# KiCad board thunderbolt-adapter.kicad_pcb (continued)
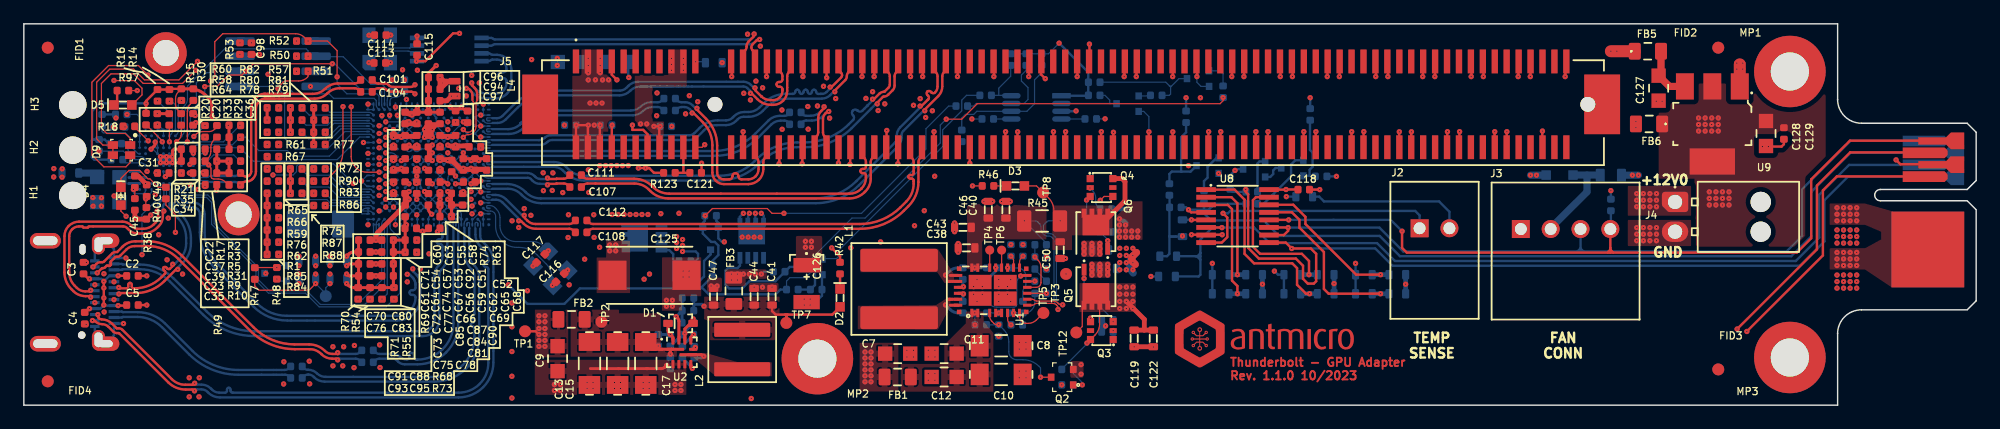
[diagram p0: board, top side]
## Library data of the parts
C1 = -: Author: Antmicro; License: Apache-2.0; MPN: GRM21BR6YA106KE43L; Manufacturer: Murata; Val: 10u/35V; Field11: Author: Antmicro; Field13: License: Apache-2.0
C2 C3 C5 C95 C118 = -: Author: Antmicro; Dielectric: X5R; License: Apache-2.0; MPN: GRM155R61H104KE14D; Manufacturer: Murata; Val: 100n; Voltage: 50V; Field11: License: Apache-2.0; Field12: Author: Antmicro
C4 C93 C104 = -: Author: Antmicro; Dielectric: X5R; License: Apache-2.0; MPN: GRM155R61H104KE14D; Manufacturer: Murata; Val: 100n; Voltage: 50V; Field12: License: Apache-2.0; Field13: Author: Antmicro
C6 C127 = -: Author: Antmicro; License: Apache-2.0; MPN: GRM21BR6YA106KE43L; Manufacturer: Murata; Val: 10u/35V; Field11: License: Apache-2.0; Field12: Author: Antmicro
C7 = -: Author: Antmicro; License: Apache-2.0; MPN: GRM21BR6YA106KE43L; Manufacturer: Murata; Val: 10u/35V; Field11: Copyright (c) 2023 Antmicro; Field13: Author: Antmicro; Field14: Apache-2.0 License; Field15: License: Apache-2.0
C8 = -: Author: Antmicro; License: Apache-2.0; MPN: 3216X5R1V226M160AC; Manufacturer: TDK; Val: 22u/35V; Field12: Apache-2.0 License; Field13: Author: Antmicro; Field14: Copyright (c) 2023 Antmicro; Field15: License: Apache-2.0
C9 = -: Author: Antmicro; License: Apache-2.0; MPN: GRM21BR6YA106KE43L; Manufacturer: Murata; Val: 10u/35V; Field11: Apache-2.0 License; Field12: Author: Antmicro; Field13: License: Apache-2.0; Field15: Copyright (c) 2023 Antmicro
C10 = -: Author: Antmicro; License: Apache-2.0; MPN: 3216X5R1V226M160AC; Manufacturer: TDK; Val: 22u/35V; Field11: License: Apache-2.0; Field13: Copyright (c) 2023 Antmicro; Field14: Apache-2.0 License; Field15: Author: Antmicro
C11 = -: Author: Antmicro; License: Apache-2.0; MPN: GRM21BR6YA106KE43L; Manufacturer: Murata; Val: 10u/35V; Field12: Copyright (c) 2023 Antmicro; Field13: Apache-2.0 License; Field14: Author: Antmicro; Field15: License: Apache-2.0
C12 = -: Author: Antmicro; License: Apache-2.0; MPN: GRM21BR6YA106KE43L; Manufacturer: Murata; Val: 10u/35V; Field11: License: Apache-2.0; Field12: Apache-2.0 License; Field13: Copyright (c) 2023 Antmicro; Field15: Author: Antmicro
C13 = -: Author: Antmicro; License: Apache-2.0; MPN: 3216X5R1V226M160AC; Manufacturer: TDK; Val: 22u/35V; Field12: Apache-2.0 License; Field13: Author: Antmicro; Field14: License: Apache-2.0; Field15: Copyright (c) 2023 Antmicro
C14 = -: Author: Antmicro; Dielectric: X5R; License: Apache-2.0; MPN: GRM155R61H104KE14D; Manufacturer: Murata; Val: 100n; Voltage: 50V; Field11: Copyright (c) 2023 Antmicro; Field12: Apache-2.0 License; Field14: Author: Antmicro; Field15: License: Apache-2.0
C15 = -: Author: Antmicro; License: Apache-2.0; MPN: 3216X5R1V226M160AC; Manufacturer: TDK; Val: 22u/35V; Field12: Author: Antmicro; Field13: Copyright (c) 2023 Antmicro; Field14: Apache-2.0 License; Field15: License: Apache-2.0
C16 = -: Author: Antmicro; License: Apache-2.0; MPN: CC0402KRX5R6BB224; Manufacturer: Yaego; Val: 220n; Field11: Author: Antmicro; Field12: Copyright (c) 2023 Antmicro; Field13: Apache-2.0 License; Field15: License: Apache-2.0
C17 = -: Author: Antmicro; License: Apache-2.0; MPN: 3216X5R1V226M160AC; Manufacturer: TDK; Val: 22u/35V; Field11: Author: Antmicro; Field12: License: Apache-2.0; Field13: Copyright (c) 2023 Antmicro; Field15: Apache-2.0 License
C18 = -: Author: Antmicro; License: Apache-2.0; MPN: C1005X6S1A105K050BC; Manufacturer: TDK; Val: 1u; Field11: Copyright (c) 2023 Antmicro; Field12: License: Apache-2.0; Field13: Apache-2.0 License; Field15: Author: Antmicro
C19 = -: Author: Antmicro; License: Apache-2.0; MPN: GCM155R71H223MA55D; Manufacturer: Murata; Val: 22n; Field11: Author: Antmicro; Field12: Copyright (c) 2023 Antmicro; Field14: Apache-2.0 License; Field15: License: Apache-2.0
C20 = -: Author: Antmicro; DNP: DNP; Dielectric: X5S; License: Apache-2.0; MPN: GRM155C61E475ME15J; Manufacturer: Murata; Val: 4u7; Voltage: 25V; Field12: License: Apache-2.0; Field14: Author: Antmicro
C21 = -: Author: Antmicro; DNP: DNP; Dielectric: X5S; License: Apache-2.0; MPN: GRM155C61E475ME15J; Manufacturer: Murata; Val: 4u7; Voltage: 25V; Field12: Author: Antmicro; Field13: License: Apache-2.0
C22 C34 C53 C54 C67 C71 C77 C87 = -: Author: Antmicro; License: Apache-2.0; MPN: C1005X6S1A105K050BC; Manufacturer: TDK; Val: 1u; Field12: Author: Antmicro; Field13: License: Apache-2.0
C23 C83 = -: Author: Antmicro; License: Apache-2.0; MPN: CC0402MRX5R5BB106; Manufacturer: Yaego; Val: 10u; Field11: License: Apache-2.0; Field12: Author: Antmicro
C24 = -: Author: Antmicro; Dielectric: X5R; License: Apache-2.0; MPN: GRM155R61H104KE14D; Manufacturer: Murata; Val: 100n; Voltage: 50V; Field11: License: Apache-2.0; Field12: Author: Antmicro; Field14: Apache-2.0 License; Field15: Copyright (c) 2023 Antmicro
C25 = -: Author: Antmicro; License: Apache-2.0; MPN: C1005X6S1A105K050BC; Manufacturer: TDK; Val: 1u; Field11: Apache-2.0 License; Field13: Author: Antmicro; Field14: Copyright (c) 2023 Antmicro; Field15: License: Apache-2.0
C26 = -: Author: Antmicro; Dielectric: X5R; License: Apache-2.0; MPN: GRM155R61H104KE14D; Manufacturer: Murata; Val: 100n; Voltage: 50V; Field11: Copyright (c) 2023 Antmicro; Field12: Apache-2.0 License; Field13: License: Apache-2.0; Field14: Author: Antmicro
C27 = -: Author: Antmicro; License: Apache-2.0; MPN: CC0402KRX5R6BB224; Manufacturer: Yaego; Val: 220n; Field11: Copyright (c) 2023 Antmicro; Field12: Apache-2.0 License; Field13: License: Apache-2.0; Field14: Author: Antmicro
C28 = -: Author: Antmicro; Dielectric: X5R; License: Apache-2.0; MPN: GRM155R61H104KE14D; Manufacturer: Murata; Val: 100n; Voltage: 50V; Field11: Author: Antmicro; Field13: License: Apache-2.0; Field14: Copyright (c) 2023 Antmicro; Field15: Apache-2.0 License
C29 = -: Author: Antmicro; Dielectric: X5R; License: Apache-2.0; MPN: GRM155R61H104KE14D; Manufacturer: Murata; Val: 100n; Voltage: 50V; Field11: License: Apache-2.0; Field13: Copyright (c) 2023 Antmicro; Field14: Apache-2.0 License; Field15: Author: Antmicro
C30 = -: Author: Antmicro; License: Apache-2.0; MPN: CGA2B3X7S2A472K050BB; Manufacturer: TDK; Val: 4n7; Field11: Author: Antmicro; Field13: License: Apache-2.0; Field14: Copyright (c) 2023 Antmicro; Field15: Apache-2.0 License
C31 C102 = -: Author: Antmicro; License: Apache-2.0; MPN: CC0402KRX5R6BB224; Manufacturer: Yaego; Val: 220n; Field11: License: Apache-2.0; Field12: Author: Antmicro
C32 = -: Author: Antmicro; Dielectric: X5R; License: Apache-2.0; MPN: GRM155R61H104KE14D; Manufacturer: Murata; Val: 100n; Voltage: 50V; Field11: Apache-2.0 License; Field12: Author: Antmicro; Field13: License: Apache-2.0; Field14: Copyright (c) 2023 Antmicro
C33 = -: Author: Antmicro; License: Apache-2.0; MPN: MC0402N330J500CT; Manufacturer: Multicomp; Val: 33p; Field12: Author: Antmicro; Field13: Apache-2.0 License; Field14: Copyright (c) 2023 Antmicro; Field15: License: Apache-2.0
C35 = -: Author: Antmicro; License: Apache-2.0; MPN: C1005X5R1A225K050BC; Manufacturer: TDK; Val: 2u2; Field12: Author: Antmicro; Field13: License: Apache-2.0
C36 C37 = -: Author: Antmicro; License: Apache-2.0; MPN: C1005X5R1A225K050BC; Manufacturer: TDK; Val: 2u2; Field11: Author: Antmicro; Field13: License: Apache-2.0
C38 = -: Author: Antmicro; License: Apache-2.0; MPN: CL10A226MO7JZNC; Manufacturer: Samsung; Val: 22u/16V; Field11: License: Apache-2.0; Field12: Apache-2.0 License; Field13: Copyright (c) 2023 Antmicro; Field14: Author: Antmicro
C39 C70 C80 = -: Author: Antmicro; License: Apache-2.0; MPN: CC0402MRX5R5BB106; Manufacturer: Yaego; Val: 10u; Field11: Author: Antmicro; Field13: License: Apache-2.0
C40 = -: Author: Antmicro; License: Apache-2.0; MPN: CL10A226MO7JZNC; Manufacturer: Samsung; Val: 22u/16V; Field12: Copyright (c) 2023 Antmicro; Field13: Author: Antmicro; Field14: Apache-2.0 License; Field15: License: Apache-2.0
C41 = -: Author: Antmicro; License: Apache-2.0; MPN: GRM188R60J226MEA0D; Manufacturer: Murata; Val: 22u; Field11: Copyright (c) 2023 Antmicro; Field12: Apache-2.0 License; Field13: License: Apache-2.0; Field15: Author: Antmicro
C42 = -: Author: Antmicro; License: Apache-2.0; MPN: CL21A226MAYNNNE; Manufacturer: Samsung; Val: 22u_25V; Field11: Author: Antmicro; Field12: License: Apache-2.0
C43 = -: Author: Antmicro; License: Apache-2.0; MPN: CL10A226MO7JZNC; Manufacturer: Samsung; Val: 22u/16V; Field12: License: Apache-2.0; Field13: Copyright (c) 2023 Antmicro; Field14: Apache-2.0 License; Field15: Author: Antmicro
C44 = -: Author: Antmicro; License: Apache-2.0; MPN: GRM188R60J226MEA0D; Manufacturer: Murata; Val: 22u; Field11: Author: Antmicro; Field12: License: Apache-2.0; Field14: Copyright (c) 2023 Antmicro; Field15: Apache-2.0 License
C45 = -: Author: Antmicro; License: Apache-2.0; MPN: MC0402B221K500CT; Manufacturer: Multicomp; Val: 220p; Field11: Author: Antmicro; Field12: License: Apache-2.0
C46 = -: Author: Antmicro; License: Apache-2.0; MPN: CL10A226MO7JZNC; Manufacturer: Samsung; Val: 22u/16V; Field11: Author: Antmicro; Field12: Apache-2.0 License; Field13: License: Apache-2.0; Field14: Copyright (c) 2023 Antmicro
C47 = -: Author: Antmicro; License: Apache-2.0; MPN: GRM188R60J226MEA0D; Manufacturer: Murata; Val: 22u; Field11: Apache-2.0 License; Field12: Author: Antmicro; Field13: License: Apache-2.0; Field14: Copyright (c) 2023 Antmicro
C48 = -: Author: Antmicro; License: Apache-2.0; MPN: CL21A226MAYNNNE; Manufacturer: Samsung; Val: 22u_25V; Field11: License: Apache-2.0; Field13: Author: Antmicro
C49 = -: Author: Antmicro; License: Apache-2.0; MPN: MC0402B221K500CT; Manufacturer: Multicomp; Val: 220p; Field11: License: Apache-2.0; Field12: Author: Antmicro
C50 = -: Author: Antmicro; License: Apache-2.0; MPN: CL10A226MO7JZNC; Manufacturer: Samsung; Val: 22u/16V; Field12: Apache-2.0 License; Field13: Author: Antmicro; Field14: License: Apache-2.0; Field15: Copyright (c) 2023 Antmicro
C51 C58 C59 C62 C74 = -: Author: Antmicro; License: Apache-2.0; MPN: C1005X6S1A105K050BC; Manufacturer: TDK; Val: 1u; Field11: Author: Antmicro; Field13: License: Apache-2.0
C52 C56 C57 C64 C73 = -: Author: Antmicro; License: Apache-2.0; MPN: C1005X6S1A105K050BC; Manufacturer: TDK; Val: 1u; Field11: License: Apache-2.0; Field12: Author: Antmicro
C55 C63 C84 C94 = -: Author: Antmicro; License: Apache-2.0; MPN: C1005X6S1A105K050BC; Manufacturer: TDK; Val: 1u; Field11: Author: Antmicro; Field12: License: Apache-2.0
C60 C65 C81 C85 C90 = -: Author: Antmicro; License: Apache-2.0; MPN: C1005X6S1A105K050BC; Manufacturer: TDK; Val: 1u; Field12: License: Apache-2.0; Field13: Author: Antmicro
C61 C66 C68 C69 C72 = -: Author: Antmicro; License: Apache-2.0; MPN: C1005X6S1A105K050BC; Manufacturer: TDK; Val: 1u; Field11: License: Apache-2.0; Field13: Author: Antmicro
C75 C76 = -: Author: Antmicro; License: Apache-2.0; MPN: CC0402MRX5R5BB106; Manufacturer: Yaego; Val: 10u; Field12: License: Apache-2.0; Field13: Author: Antmicro
C78 = -: Author: Antmicro; License: Apache-2.0; MPN: CC0402MRX5R5BB106; Manufacturer: Yaego; Val: 10u; Field12: Author: Antmicro; Field13: License: Apache-2.0
C79 = -: Author: Antmicro; License: Apache-2.0; MPN: GRM188R60J226MEA0D; Manufacturer: Murata; Val: 22u; Field11: Author: Antmicro; Field13: License: Apache-2.0
C82 = -: Author: Antmicro; License: Apache-2.0; MPN: GRM188R60J226MEA0D; Manufacturer: Murata; Val: 22u; Field12: License: Apache-2.0; Field13: Author: Antmicro
C86 = -: Author: Antmicro; License: Apache-2.0; MPN: GRM188R60J226MEA0D; Manufacturer: Murata; Val: 22u; Field11: License: Apache-2.0; Field12: Author: Antmicro
C88 C92 C123 = -: Author: Antmicro; Dielectric: X5R; License: Apache-2.0; MPN: GRM155R61H104KE14D; Manufacturer: Murata; Val: 100n; Voltage: 50V; Field11: License: Apache-2.0; Field13: Author: Antmicro
C89 = -: Author: Antmicro; License: Apache-2.0; MPN: GRM188R60J226MEA0D; Manufacturer: Murata; Val: 22u; Field11: License: Apache-2.0; Field13: Author: Antmicro
C91 C98 C121 C124 C129 = -: Author: Antmicro; Dielectric: X5R; License: Apache-2.0; MPN: GRM155R61H104KE14D; Manufacturer: Murata; Val: 100n; Voltage: 50V; Field11: Author: Antmicro; Field12: License: Apache-2.0
C96 = -: Author: Antmicro; License: Apache-2.0; MPN: CC0402MRX5R5BB106; Manufacturer: Yaego; Val: 10u; Field11: Author: Antmicro; Field12: License: Apache-2.0
C97 C101 C115 C120 = -: Author: Antmicro; Dielectric: X5R; License: Apache-2.0; MPN: GRM155R61H104KE14D; Manufacturer: Murata; Val: 100n; Voltage: 50V; Field11: Author: Antmicro; Field13: License: Apache-2.0
C99 C100 C103 C105 C106 = -: Author: Antmicro; License: Apache-2.0; MPN: CC0402KRX5R6BB224; Manufacturer: Yaego; Val: 220n; Field11: License: Apache-2.0; Field13: Author: Antmicro
C107 C111 C112 = -: Author: Antmicro; License: Apache-2.0; MPN: CC0402KRX5R6BB224; Manufacturer: Yaego; Val: 220n; Field11: Author: Antmicro; Field12: License: Apache-2.0
C108 C110 = -: Author: Antmicro; License: Apache-2.0; MPN: CC0402KRX5R6BB224; Manufacturer: Yaego; Val: 220n; Field12: Author: Antmicro; Field13: License: Apache-2.0
C109 = -: Author: Antmicro; License: Apache-2.0; MPN: CC0402KRX5R6BB224; Manufacturer: Yaego; Val: 220n; Field12: License: Apache-2.0; Field13: Author: Antmicro
C113 = -: Author: Antmicro; Dielectric: C0G; License: Apache-2.0; MPN: GCM1555C1H100GA16D; Manufacturer: Murata; Val: 10p; Voltage: 50V; Field12: Author: Antmicro; Field13: License: Apache-2.0
C114 = -: Author: Antmicro; Dielectric: C0G; License: Apache-2.0; MPN: GCM1555C1H100GA16D; Manufacturer: Murata; Val: 10p; Voltage: 50V; Field11: Author: Antmicro; Field13: License: Apache-2.0
C116 = -: Author: Antmicro; Dielectric: C0G; License: Apache-2.0; MPN: GCM1555C1H100GA16D; Manufacturer: Murata; Val: 10p; Voltage: 50V; Field12: License: Apache-2.0; Field13: Author: Antmicro
C117 = -: Author: Antmicro; Dielectric: C0G; License: Apache-2.0; MPN: GCM1555C1H100GA16D; Manufacturer: Murata; Val: 10p; Voltage: 50V; Field11: Author: Antmicro; Field12: License: Apache-2.0
C119 = -: Author: Antmicro; License: Apache-2.0; MPN: CL10A226MO7JZNC; Manufacturer: Samsung; Val: 22u/16V; Field11: Author: Antmicro; Field12: License: Apache-2.0
C122 = -: Author: Antmicro; License: Apache-2.0; MPN: CL10A226MO7JZNC; Manufacturer: Samsung; Val: 22u/16V; Field11: License: Apache-2.0; Field12: Author: Antmicro
C125 = -: Author: Antmicro; License: Apache-2.0; MPN: TR3E227K016C0100; Manufacturer: Vishay; Val: 220u; Field11: Author: Antmicro; Field13: License: Apache-2.0
C126 = -: Author: Antmicro; License: Apache-2.0; MPN: T520B337M006ATE040; Manufacturer: KEMET; Val: 330u; Field12: License: Apache-2.0; Field13: Author: Antmicro
C128 = -: Author: Antmicro; License: Apache-2.0; MPN: GRM21BR6YA106KE43L; Manufacturer: Murata; Val: 10u/35V; Field11: License: Apache-2.0; Field13: Author: Antmicro
C130 = -: Author: Antmicro; DNP: DNP; Dielectric: X7R; License: Apache-2.0; MPN: GRM155R71H103KA88D; Manufacturer: Murata; Val: 10n; Voltage: 50V; Field12: Author: Antmicro; Field13: License: Apache-2.0
D1 = -: Author: Antmicro; License: Apache-2.0; Manufacturer: ON Semiconductor; Field8: Apache-2.0 License; Field10: Author: Antmicro; Field11: License: Apache-2.0; Field12: Copyright (c) 2023 Antmicro
D2 = -: Author: Antmicro; License: Apache-2.0; MPN: KP-1608CGCK; Manufacturer: Kingbright; Field8: License: Apache-2.0; Field10: Copyright (c) 2023 Antmicro; Field11: Author: Antmicro; Field12: Apache-2.0 License
D3 = -: Author: Antmicro; License: Apache-2.0; MPN: KP-1608CGCK; Manufacturer: Kingbright; Field8: Copyright (c) 2023 Antmicro; Field9: Author: Antmicro; Field11: License: Apache-2.0; Field12: Apache-2.0 License
D4 = -: Author: Antmicro; License: Apache-2.0; MPN: KP-1608CGCK; Manufacturer: Kingbright; Field9: Author: Antmicro; Field10: License: Apache-2.0
D5 = -: Author: Antmicro; License: Apache-2.0; MPN: KP-1608CGCK; Manufacturer: Kingbright; Field9: License: Apache-2.0; Field10: Author: Antmicro
D7 = -: Manufacturer: Diodes Incorporated
D9 = -: Description: Standard LEDs - SMD RGB 1616 SMD; Author: Antmicro; License: Apache-2.0; MPN: 150066M153000; Manufacturer: Würth Elektronik
FB1 = -: Author: Antmicro; License: Apache-2.0; Manufacturer: Murata; Field8: Apache-2.0 License; Field10: Copyright (c) 2023 Antmicro; Field11: Author: Antmicro; Field12: License: Apache-2.0
FB2 = -: Author: Antmicro; License: Apache-2.0; Manufacturer: Murata; Field8: Apache-2.0 License; Field9: Copyright (c) 2023 Antmicro; Field11: License: Apache-2.0; Field12: Author: Antmicro
FB3 = -: Author: Antmicro; License: Apache-2.0; Manufacturer: Murata; Field9: Apache-2.0 License; Field10: License: Apache-2.0; Field11: Copyright (c) 2023 Antmicro; Field12: Author: Antmicro
FB4 = -: Author: Antmicro; License: Apache-2.0; MPN: BLM18SG121TN1D; Manufacturer: Murata; Field8: Author: Antmicro; Field9: License: Apache-2.0
FB5 = -: Author: Antmicro; License: Apache-2.0; Manufacturer: Murata; Field8: Author: Antmicro; Field10: License: Apache-2.0
FB6 = -: Author: Antmicro; License: Apache-2.0; Manufacturer: Murata; Field8: Author: Antmicro; Field9: License: Apache-2.0
FID1 FID5 MP2 TP2 TP9 = -: Author: Antmicro; License: Apache-2.0; Field9: License: Apache-2.0; Field10: Author: Antmicro
FID2 FID3 FID8 = -: Author: Antmicro; License: Apache-2.0; Field9: Author: Antmicro; Field11: License: Apache-2.0
FID4 FID6 TP1 TP3 = -: Author: Antmicro; License: Apache-2.0; Field9: Author: Antmicro; Field10: License: Apache-2.0
FID7 = -: Author: Antmicro; License: Apache-2.0; Field10: Author: Antmicro; Field11: License: Apache-2.0
G*** = -: Field4: G***; Field5: Author: Antmicro; Field6: License: Apache-2.0
H1 H3 = -: Author: Antmicro; License: Apache-2.0; MPN: 1271.1001; Manufacturer: Mentor Worldwide; Field8: License: Apache-2.0; Field10: Author: Antmicro
H2 = -: Author: Antmicro; License: Apache-2.0; MPN: 1271.1001; Manufacturer: Mentor Worldwide; Field9: Author: Antmicro; Field10: License: Apache-2.0
J2 = -: Author: Antmicro; License: Apache-2.0; MPN: S2B-XH-A-1 (LF)(SN); Manufacturer: JST Automotive Connectors; Field8: Author: Antmicro; Field10: License: Apache-2.0
J3 = -: Author: Antmicro; License: Apache-2.0; MPN: S4B-XH-A (LF)(SN); Manufacturer: JST Automotive Connectors; Field8: License: Apache-2.0; Field10: Author: Antmicro
J4 = -: Author: Antmicro; License: Apache-2.0; MPN: 1053131202; Manufacturer: Molex; Field8: Author: Antmicro; Field10: License: Apache-2.0
J5 = -: Author: Antmicro; License: Apache-2.0; MAXIMUM_PACKAGE_HEIGHT: 11.25mm; MPN: 10146070-113Y0LF; Manufacturer: Amphenol; PARTREV: E; STANDARD: Manufacturer Recommendations; Field11: License: Apache-2.0; Field13: Author: Antmicro
J6 = -: Author: Antmicro; License: Apache-2.0; Field6: Author: Antmicro; Field8: License: Apache-2.0
J9 = -: Author: Antmicro; License: Apache-2.0; MPN: DX07S024JJ2; Manufacturer: JAE Electronics; Field8: License: Apache-2.0; Field10: Author: Antmicro
L1 = -: Author: Antmicro; IMax: 9.2 A; ISat: 12.8 A; License: Apache-2.0; MPN: XAL7070-682MEC; Manufacturer: Coilcraft; Size: 7.7x8; Val: 6u8/12.8A; Field13: License: Apache-2.0; Field14: Author: Antmicro
L2 = -: Author: Antmicro; IMax: 9.7 A; ISat: 9.2 A; License: Apache-2.0; MPN: XAL5030-222MEC; Manufacturer: Coilcraft; Size: 5.28x5.48; Val: 2u2/9.7A; Field12: License: Apache-2.0; Field13: Author: Antmicro
L3 = -: Author: Antmicro; IMax: 7.6 A; ISat: 6.8 A; License: Apache-2.0; MPN: IHLP1616BZERR68M5A; Manufacturer: Vishay; Size: 4.06x4.06; Val: 680n/7.6A; Field13: Author: Antmicro; Field14: License: Apache-2.0
L4 = -: Author: Antmicro; IMax: 1.8; ISat: 1.9; License: Apache-2.0; MPN: DFE18SBN1R0ME0L; Manufacturer: Murata; Size: 1.6x0.8; Val: 1u/1.8A; Field13: Author: Antmicro; Field14: License: Apache-2.0
MP1 TP11 = -: Author: Antmicro; License: Apache-2.0; Field8: Author: Antmicro; Field9: License: Apache-2.0
MP3 TP12 = -: Author: Antmicro; License: Apache-2.0; Field8: License: Apache-2.0; Field10: Author: Antmicro
Q1 Q8 = -: Author: Antmicro; License: Apache-2.0; MPN: BC817-25W,115; Manufacturer: Nexperia; Field8: License: Apache-2.0; Field10: Author: Antmicro
Q2 Q13 = -: Author: Antmicro; License: Apache-2.0; MPN: BC817-25W,115; Manufacturer: Nexperia; Field8: Author: Antmicro; Field9: License: Apache-2.0
Q3 = -: Author: Antmicro; License: Apache-2.0; MPN: DZDH0401DW-7; Manufacturer: Diodes Incorporated; Field9: License: Apache-2.0; Field10: Author: Antmicro
Q4 = -: Author: Antmicro; License: Apache-2.0; MPN: DZDH0401DW-7; Manufacturer: Diodes Incorporated; Field8: License: Apache-2.0; Field10: Author: Antmicro
Q5 Q6 = -: Author: Antmicro; License: Apache-2.0; Manufacturer: Vishay; Field8: License: Apache-2.0; Field9: Author: Antmicro
Q7 = -: Author: Antmicro; License: Apache-2.0; MPN: BC817-25W,115; Manufacturer: Nexperia; Field8: License: Apache-2.0; Field9: Author: Antmicro
Q9 Q10 = -: Author: Antmicro; License: Apache-2.0; Manufacturer: Vishay; Field8: License: Apache-2.0; Field10: Author: Antmicro
Q11 Q12 = -: Author: Antmicro; License: Apache-2.0; MPN: BC817-25W,115; Manufacturer: Nexperia; Field9: License: Apache-2.0; Field10: Author: Antmicro
Q14 = -: Author: Antmicro; DNP: DNP; License: Apache-2.0; MPN: BC817-25W,115; Manufacturer: Nexperia; Field9: Author: Antmicro; Field11: License: Apache-2.0
Q15 = -: Author: Antmicro; DNP: DNP; License: Apache-2.0; MPN: BC817-25W,115; Manufacturer: Nexperia; Field9: License: Apache-2.0; Field11: Author: Antmicro
R1 R51 = -: Author: Antmicro; License: Apache-2.0; MPN: CR0402-FX-3301GLF; Manufacturer: Bourns; Tolerance: 1%; Val: 3k3; Field10: Author: Antmicro; Field12: License: Apache-2.0
R2 R64 R78 R91 R115 = -: Author: Antmicro; License: Apache-2.0; MPN: CR0402-FX-1002GLF; Manufacturer: Bourns; Tolerance: 1%; Val: 10k; Field10: License: Apache-2.0; Field11: Author: Antmicro
R3 R58 = -: Author: Antmicro; License: Apache-2.0; MPN: CR0402-FX-2201GLF; Manufacturer: Bourns; Tolerance: 1%; Val: 2k2; Field10: Author: Antmicro; Field12: License: Apache-2.0
R4 R30 R60 R81 R87 R92 = -: Author: Antmicro; License: Apache-2.0; MPN: CR0402-FX-1003GLF; Manufacturer: Bourns; Tolerance: 1%; Val: 100k; Field11: Author: Antmicro; Field12: License: Apache-2.0
R5 = -: Author: Antmicro; License: Apache-2.0; MPN: CR0402-FX-2201GLF; Manufacturer: Bourns; Tolerance: 1%; Val: 2k2; Field10: License: Apache-2.0; Field12: Author: Antmicro
R6 = -: Author: Antmicro; License: Apache-2.0; MPN: CR0402-FX-1002GLF; Manufacturer: Bourns; Tolerance: 1%; Val: 10k; Field10: Apache-2.0 License; Field12: License: Apache-2.0; Field13: Copyright (c) 2023 Antmicro; Field14: Author: Antmicro
R7 = -: Author: Antmicro; License: Apache-2.0; MPN: CR0402-FX-2402GLF; Manufacturer: Bourns; Tolerance: 1%; Val: 24k; Field10: Copyright (c) 2023 Antmicro; Field11: Apache-2.0 License; Field12: Author: Antmicro; Field14: License: Apache-2.0
R8 = -: Author: Antmicro; License: Apache-2.0; MPN: CR0402-FX-1002GLF; Manufacturer: Bourns; Tolerance: 1%; Val: 10k; Field10: Apache-2.0 License; Field12: Copyright (c) 2023 Antmicro; Field13: Author: Antmicro; Field14: License: Apache-2.0
R9 R48 R72 R95 = -: Author: Antmicro; License: Apache-2.0; MPN: CR0402-FX-1003GLF; Manufacturer: Bourns; Tolerance: 1%; Val: 100k; Field10: License: Apache-2.0; Field11: Author: Antmicro
R10 R96 R124 = -: Author: Antmicro; License: Apache-2.0; MPN: CR0402-FX-1003GLF; Manufacturer: Bourns; Tolerance: 1%; Val: 100k; Field11: License: Apache-2.0; Field12: Author: Antmicro
R11 = -: Author: Antmicro; License: Apache-2.0; MPN: CR0402-FX-1002GLF; Manufacturer: Bourns; Tolerance: 1%; Val: 10k; Field10: Copyright (c) 2023 Antmicro; Field11: Apache-2.0 License; Field13: Author: Antmicro; Field14: License: Apache-2.0
R12 = -: Author: Antmicro; Current: 1A; License: Apache-2.0; MPN: ERJ2GE0R00X; Manufacturer: Panasonic; Val: 0R; Field11: Copyright (c) 2023 Antmicro; Field12: Apache-2.0 License; Field13: Author: Antmicro; Field14: License: Apache-2.0
R13 = -: Author: Antmicro; Current: 1A; License: Apache-2.0; MPN: ERJ2GE0R00X; Manufacturer: Panasonic; Val: 0R; Field11: License: Apache-2.0; Field12: Apache-2.0 License; Field14: Copyright (c) 2023 Antmicro; Field15: Author: Antmicro
R14 = -: Author: Antmicro; License: Apache-2.0; MPN: CR0402-FX-3301GLF; Manufacturer: Bourns; Tolerance: 1%; Val: 3k3; Field11: Author: Antmicro; Field12: License: Apache-2.0
R15 = -: Author: Antmicro; License: Apache-2.0; MPN: CR0402-FX-3301GLF; Manufacturer: Bourns; Tolerance: 1%; Val: 3k3; Field10: License: Apache-2.0; Field12: Author: Antmicro
R16 R17 R32 R67 R114 = -: Author: Antmicro; License: Apache-2.0; MPN: CR0402-FX-1002GLF; Manufacturer: Bourns; Tolerance: 1%; Val: 10k; Field11: Author: Antmicro; Field12: License: Apache-2.0
R18 = -: Author: Antmicro; Current: 1A; License: Apache-2.0; MPN: ERJ2GE0R00X; Manufacturer: Panasonic; Val: 0R; Field11: License: Apache-2.0; Field12: Author: Antmicro
R19 R20 R66 R79 R85 R93 = -: Author: Antmicro; License: Apache-2.0; MPN: CR0402-FX-1002GLF; Manufacturer: Bourns; Tolerance: 1%; Val: 10k; Field10: Author: Antmicro; Field12: License: Apache-2.0
R21 R82 = -: Author: Antmicro; License: Apache-2.0; MPN: CR0402-FX-1004GLF; Manufacturer: Bourns; Tolerance: 1%; Val: 1M; Field10: Author: Antmicro; Field12: License: Apache-2.0
R22 = -: Author: Antmicro; License: Apache-2.0; MPN: CR0402-FX-1003GLF; Manufacturer: Bourns; Tolerance: 1%; Val: 100k; Field10: Apache-2.0 License; Field12: License: Apache-2.0; Field13: Copyright (c) 2023 Antmicro; Field14: Author: Antmicro
R23 = -: Author: Antmicro; License: Apache-2.0; MPN: CR0402-FX-1003GLF; Manufacturer: Bourns; Tolerance: 1%; Val: 100k; Field11: Author: Antmicro; Field12: Copyright (c) 2023 Antmicro; Field13: Apache-2.0 License; Field14: License: Apache-2.0
R24 = -: Author: Antmicro; DNP: DNP; License: Apache-2.0; MPN: CR0402-FX-1003GLF; Manufacturer: Bourns; Tolerance: 1%; Val: 100k; Field12: Author: Antmicro; Field13: Copyright (c) 2023 Antmicro; Field14: License: Apache-2.0; Field15: Apache-2.0 License
R25 = -: Author: Antmicro; License: Apache-2.0; MPN: CR0402-FX-1202GLF; Manufacturer: Bourns; Tolerance: 1%; Val: 12k; Field10: Copyright (c) 2023 Antmicro; Field11: Apache-2.0 License; Field13: Author: Antmicro; Field14: License: Apache-2.0
R26 = -: Author: Antmicro; Current: 1A; License: Apache-2.0; MPN: ERJ2GE0R00X; Manufacturer: Panasonic; Val: 0R; Field11: Author: Antmicro; Field12: Apache-2.0 License; Field13: Copyright (c) 2023 Antmicro; Field15: License: Apache-2.0
R27 = -: Author: Antmicro; Current: 1A; License: Apache-2.0; MPN: ERJ2GE0R00X; Manufacturer: Panasonic; Val: 0R; Field12: Author: Antmicro; Field13: Apache-2.0 License; Field14: Copyright (c) 2023 Antmicro; Field15: License: Apache-2.0
R28 = -: Author: Antmicro; License: Apache-2.0; MPN: CR0402-FX-1243GLF; Manufacturer: Bourns; Tolerance: 1%; Val: 124k; Field10: Copyright (c) 2023 Antmicro; Field11: License: Apache-2.0; Field12: Apache-2.0 License; Field13: Author: Antmicro
R29 R34 R90 R121 = -: Author: Antmicro; License: Apache-2.0; MPN: CR0402-FX-1003GLF; Manufacturer: Bourns; Tolerance: 1%; Val: 100k; Field10: Author: Antmicro; Field12: License: Apache-2.0
R31 = -: Author: Antmicro; Current: 1A; License: Apache-2.0; MPN: ERJ2GE0R00X; Manufacturer: Panasonic; Val: 0R; Field11: Author: Antmicro; Field13: License: Apache-2.0
R33 R57 R84 R125 = -: Author: Antmicro; License: Apache-2.0; MPN: CR0402-FX-1003GLF; Manufacturer: Bourns; Tolerance: 1%; Val: 100k; Field10: Author: Antmicro; Field11: License: Apache-2.0
R35 = -: Author: Antmicro; License: Apache-2.0; MPN: ERA-2ARB153X; Manufacturer: Panasonic; Tolerance: 0.1%; Val: 15k; Field11: License: Apache-2.0; Field12: Author: Antmicro
R36 = -: Author: Antmicro; License: Apache-2.0; MPN: CR0402-FX-4022GLF; Manufacturer: Bourns; Tolerance: 1%; Val: 40k2; Field10: Apache-2.0 License; Field11: License: Apache-2.0; Field12: Author: Antmicro; Field13: Copyright (c) 2023 Antmicro
R37 = -: Author: Antmicro; License: Apache-2.0; MPN: CR0402-FX-8871GLF; Manufacturer: Bourns; Tolerance: 1%; Val: 8k87; Field10: Copyright (c) 2023 Antmicro; Field12: Author: Antmicro; Field13: License: Apache-2.0; Field14: Apache-2.0 License
R38 = -: Author: Antmicro; License: Apache-2.0; MPN: CR0402-FX-5101GLF; Manufacturer: Bourns; Tolerance: 1%; Val: 5k1; Field10: Author: Antmicro; Field12: License: Apache-2.0
